# Altium PCB HIL_RIG_REV_1_2.PcbDoc (part 9 of 14) (continued)
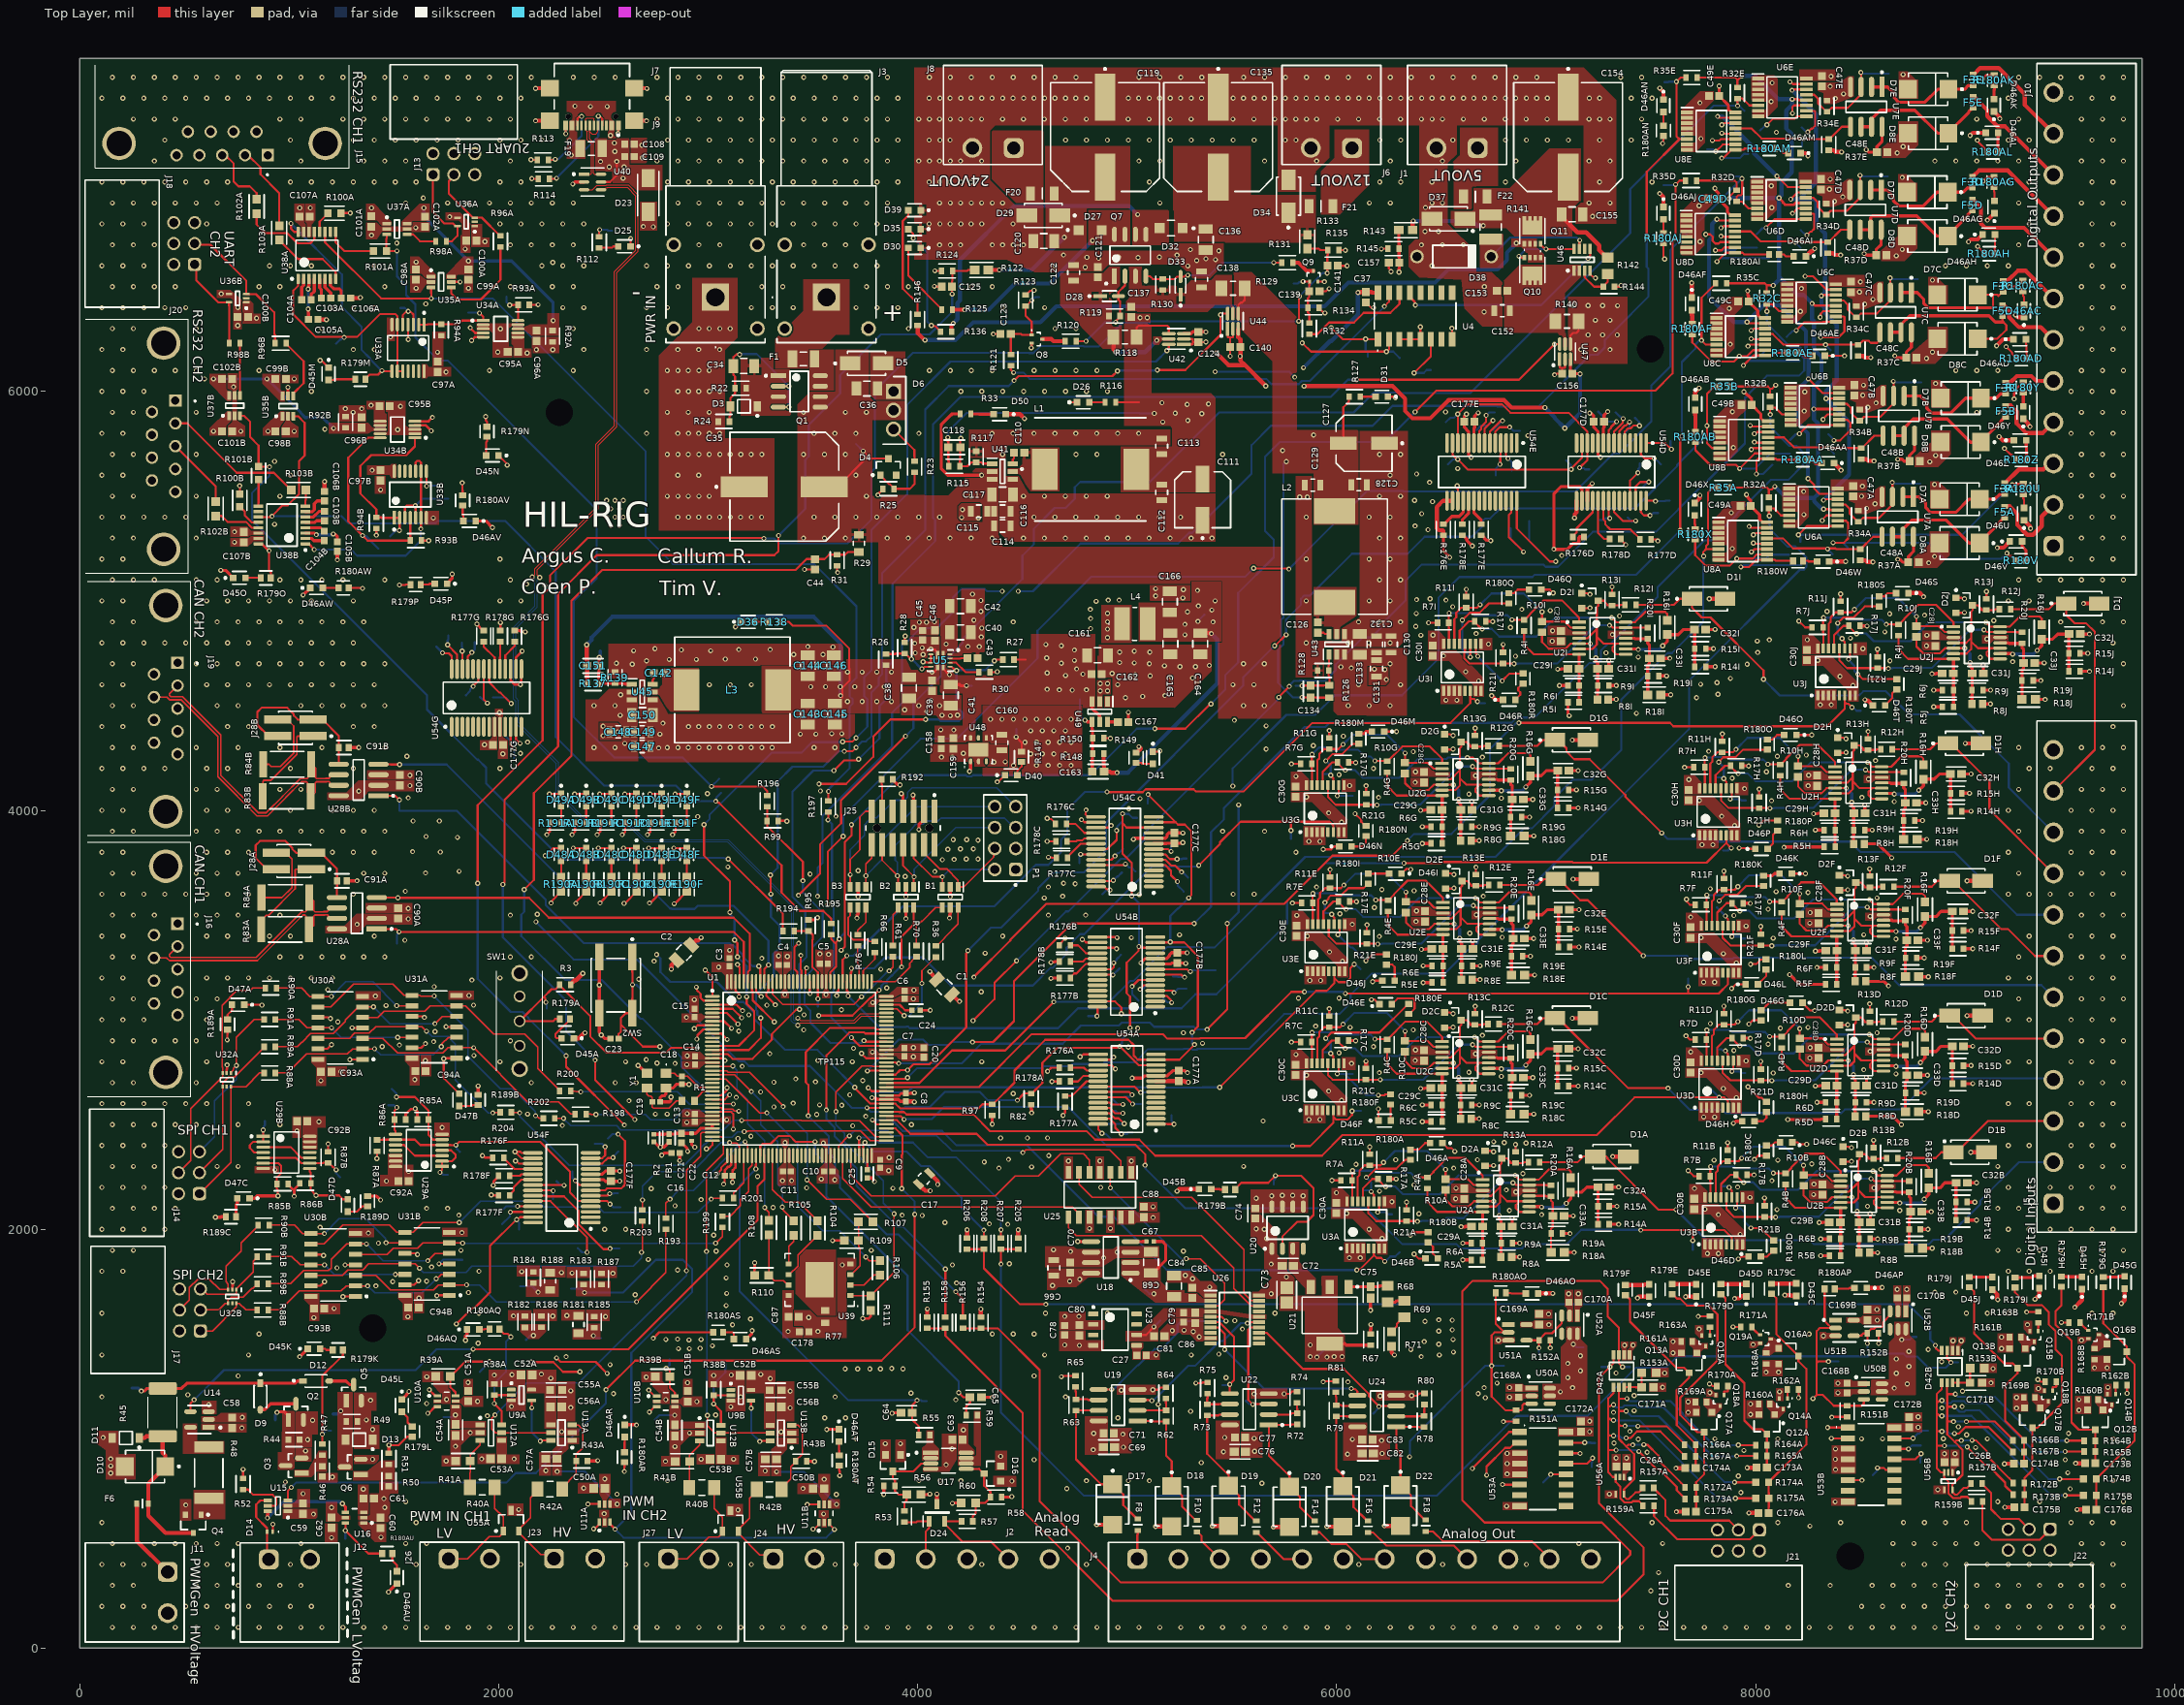
[diagram p0: Top Layer view]
## Nets (pads, with @x,y where several pads share a name; then routed paths per layer and width w, separated by ;. In a path a pad name is that pad's centre, name@x,y a point inside that pad or via, vN(x,y) a via of type N, cw(c..) or ccw(c..) an arc to the next point about the centre after c; other vN are vias at no path point) (continued)
  Top Layer w20: C105A.2@1137.14,6344 1161.87,6344 1163.1,6342.77 1177.23,6342.77 v1(1178,6342) ; C106B.2@1169,5522.64 v1(1169,5570) ; v1(1230,5196) C105B.2@1230,5236.72 ; C106A.2@1293.14,6446 1336.92,6446 1338.92,6448 v1(1340,6448) ; v1@2176.76,7292.76 J9.2@2243.82,7292.76 ; v1@2176.76,7447.48 J9.4@2243.82,7447.48 ; R3.1@2343.73,3168.01 2343.73,3171.03 2362.35,3189.65 2369.65,3189.65 v1(2402,3222) ; D45A.1@2359.06,2912 2382.8,2912 2408.04,2937.23 2411.23,2937.23 v1(2412,2938) ; J9.1@2646.18,7292.76 v1@2705.24,7292.76 ; J9.3@2646.18,7447.48 2705.44,7447.48 2706.92,7446 v1(2708,7446) ; v1(2824,3242) 2824.77,3242.77 2824.77,3261.9 C2.2@2848.6,3285.73 ; C8.1@3944,2610.71 3980.21,2610.71 3982.92,2608 v1(3984,2608) ; C17.1@4003.55,2215.55 4027.31,2191.8 4028.63,2191.8 4036.43,2184 v1(4060,2184) ; D24.3@4092,688.77 v1(4092,736) ; C1.2@4163.64,3120.73 v1@4196.37,3088 ; D50.1@4420.97,5891.29 4488.71,5891.29 v1(4510,5870) ; v1(4854,590) 4854.27,589.73 D17.2@4931,589.73 ; v1(5136,582) 5136.27,581.73 D18.2@5213,581.73 ; v1(5238,2182) 5239.08,2182 5249.08,2192 D45B.1@5342,2192 ; v1(5407,583.81) 5407.27,583.54 D19.2@5484,583.54 ; v1(5698,578.91) 5698.27,578.64 D20.2@5775,578.64 ; v1(5953,581) 5953.27,580.73 D21.2@6030,580.73 ; v1(6228,585) 6228.27,584.73 D22.2@6305,584.73 ; R71.1@6262,1441.48 6262,1412.64 6262.27,1412.64 6274.92,1400 v1(6276,1400) ; v1(6740,4548) 6760,4528 D46R.1@6794,4528 ; D46AO.1@6962,1694 v1(7032,1694) ; v1(7124.89,3007.79) D1C.2@7199.63,3007.79 ; v1(7124.89,4335.79) D1G.2@7199.63,4335.79 ; v1(7128.89,3671.79) D1E.2@7203.63,3671.79 ; v1(7136,5396) 7136.77,5396.77 7136.77,5414.2 7145.32,5422.76 U54D.15@7145.32,5478 ; U54D.17@7196.5,5478 7196.5,5536.5 v1(7220,5560) ; v1(7317.89,2347.79) D1A.2@7392.63,2347.79 ; v1(7436,1672) 7442,1678 D45F.1@7492,1678 ; v1@7544,6944 7560,6928 D46AJ.1@7560,6880.9 ; v1@7544,7446 7560,7430 D46AN.1@7560,7393.48 ; v1(7620,860) C174A.1@7664.79,860 ; v1(7622,652) C175A.1@7666.79,652 ; v1(7666,1678) 7666.94,1678.94 D45E.1@7716,1678.94 ; v1@7694,6520 7695.79,6518.21 D46AF.1@7695.79,6447.48 ; D46X.1@7709.73,5467.02 7733.23,5490.52 7733.23,5502.15 v1@7734,5502.92 ; D46AB.1@7712,5970 7712,5998 v1(7730,6016) ; v1(7778.89,5009.79) D1I.2@7853.63,5009.79 ; v1(7900,1670) 7922.25,1670 7932.25,1680 D45D.1@7956,1680 ; v1(7960,862) C173A.1@8004.79,862 ; v1(7968,646) C176A.1@8012.79,646 ; v1(8140,1686) 8166.72,1686 8170.25,1682.47 D45C.1@8194,1682.47 ; D46AM.1@8215.06,7138 8238.8,7138 8250,7126.8 v1(8250,7124) ; D46AI.1@8240.51,6645.45 8264.26,6669.2 8269.2,6669.2 v1@8280,6680 ; R37D.1@8345.16,6659.79 8369.14,6659.79 8377.5,6651.43 v1(8406.16,6651.43) ; R37E.1@8349.05,7151.24 8373.03,7151.24 8381.39,7142.88 v1(8410.05,7142.88) ; D46W.1@8352,5188 v1(8430,5188) ; D46AA.1@8374,5658 v1(8408,5624) ; R37C.1@8489.16,6169.79 8513.14,6169.79 8521.5,6161.43 v1(8550.16,6161.43) ; R37A.1@8499.14,5194.24 8523.13,5194.24 8531.49,5185.88 v1(8560.14,5185.88) ; R37B.1@8504.33,5676.43 8528.32,5676.43 8536.68,5668.07 v1(8565.33,5668.07) ; v1(8522,4528) 8525.02,4524.98 8535.81,4524.98 D46T.1@8559.56,4501.23 ; D46AP.1@8531.06,1720 8602,1720 v1(8604,1722) ; D46S.1@8730.08,5037.44 8784.56,5037.44 v1(8802,5020) ; v1(9000.89,4319.79) D1H.2@9075.63,4319.79 ; v1(9008.89,3019.79) D1D.2@9083.63,3019.79 ; v1(9008.89,3663.79) D1F.2@9083.63,3663.79 ; v1(9016,6714) 9027.54,6725.54 9059.85,6725.54 D46AH.1@9083.59,6749.29 ; v1(9024,7222) 9036.83,7234.83 D46AL.1@9098.66,7234.83 ; v1(9026.89,2367.79) D1B.2@9101.63,2367.79 ; v1(9106,6818) 9106.77,6818.77 9107.99,6818.77 D46AG.1@9140.2,6850.98 ; D45J.1@9130,1712.47 9153.75,1688.72 9153.75,1666.25 v1(9156,1664) ; D46AK.1@9137.67,7336.52 9165.23,7308.96 9165.23,7302.77 v1(9166,7302) ; v1(9150,6218) 9180.97,6248.97 D46AD.1@9231.09,6248.97 ; v1(9154,5254) 9183.9,5254 D46V.1@9213.55,5283.65 ; v1(9162,5784) 9179.42,5766.58 D46Z.1@9232.71,5766.58 ; v1@9189,881 C174B.1@9232.39,881 ; v1(9189.6,673) C175B.1@9234.39,673 ; v1(9240.63,6365.52) 9241.71,6365.52 9252.57,6354.66 D46AC.1@9280.94,6354.66 ; D46Y.1@9278.02,5869.55 9301.77,5845.8 9301.77,5840.23 v1(9310,5832) ; D46U.1@9280.94,5385.34 9311.23,5355.05 9311.23,5346.77 v1(9312,5346) ; v1(9334,1666) 9354,1686 D45I.1@9354,1718.47 ; v1(9524,1628) 9558,1662 D45H.1@9558,1714.47 ; v1(9527.6,883) C173B.1@9572.39,883 ; v1(9534,662) C176B.1@9577.39,662 ; v1(9565.89,4987.79) D1J.2@9640.63,4987.79 ; v1(9746,1646) 9762,1662 D45G.1@9762,1716.47
  other v1: 156,100 256,100 356,100 456,100 556,100 656,100 756,100 856,100 956,100 1056,100 1156,100 1256,100 1356,100 1456,100 1556,100 1656,100 1756,100 1856,100 1956,100 2056,100 2156,100 2256,100 2356,100 2456,100 2556,100 2656,100 2756,100 2856,100 2956,100 3056,100 3156,100 3256,100 3356,100 3456,100 3556,100 3656,100 3756,100 3856,100 3956,100 4056,100 4156,100 4256,100 4356,100 4456,100 4556,100 4656,100 4756,100 4856,100 4956,100 5056,100 5156,100 5256,100 5356,100 5456,100 5556,100 5656,100 5756,100 5856,100 5956,100 6056,100 6156,100 6256,100 6356,100 6456,100 6556,100 6656,100 6756,100 6856,100 6956,100 7056,100 7156,100 7256,100 7356,100 7456,100 7556,100 7656,100 7756,100 7856,100 7956,100 8056,100 8156,100 8256,100 8356,100 8456,100 8556,100 8656,100 8756,100 8856,100 8956,100 9056,100 9156,100 9256,100 9356,100 9456,100 9556,100 9656,100 9756,100 106,200 206,200 306,200 506,200 606,200 706,200 806,200 906,200 1006,200 1106,200 8506,200 8606,200 8706,200 8806,200 8906,200 9006,200 9106,200 9206,200 9306,200 9406,200 9506,200 9606,200 9706,200 7500,274 156,300 256,300 556,300 656,300 756,300 856,300 956,300 1056,300 8156,300 8356,300 8556,300 8656,300 8756,300 8856,300 8956,300 9056,300 9156,300 9256,300 9356,300 9456,300 9556,300 9656,300 9756,300 7537.12,361.24 106,400 206,400 306,400 606,400 706,400 1006,400 1606,400 2106,400 2606,400 2706,400 3106,400 3206,400 3606,400 3706,400 4306,400 4806,400 6106,400 6506,400 6906,400 8706,400 8806,400 8906,400 9006,400 9106,400 9206,400 9306,400 9406,400 9506,400 9606,400 9706,400 156,500 356,500 456,500 556,500 656,500 756,500 1056,500 1556,500 1656,500 7156,500 7556,500 8656,500 8756,500 8856,500 8956,500 9056,500 9556,500 9656,500 9756,500 1202,528 8259.12,583.24 106,600 1606,600 7506,600 8106,600 8406,600 8706,600 8806,600 8906,600 9006,600 9506,600 9606,600 9706,600 3550.78,641.04 2503.52,642.52 3142.78,660.52 2095.52,662 1456,672 6812,678 506,684 8379.6,699 1556,700 9156,700 9356,700 9756,700 1452,714 3612,734 2564.74,735.48 7302,736 1066,738 7930,744 8869.6,757 9501.6,761 3452.78,763.04 2405.52,764.52 5643.12,787.24 982,794 4450,798 2806,800 3706,800 4006,800 4106,800 4206,800 4806,800 5006,800 5106,800 9706,800 1206,818 7918,822 6814,832 148,836 9490,838 3272.26,846.52 2225,848 8381.6,853 148,870 4136,876 6813.6,881.34 5354,886 2796.26,892.52 1749,894 4556,900 9478,900 9756,900 1398,902 8381.2,902.34 2966.26,902.52 148,904 1919,904 7334,908 8901.6,929 6216.61,930 6814,930 7482,936 5608.61,940 1078,942 7944,944 8381.6,951 4164,952 9050,958 4982,960 2841.26,962.52 1794,964 3917.68,976.68 7324,980 6214.61,992 7440,998 3706,1000 7806,1000 8106,1000 8506,1000 8606,1000 9106,1000 9706,1000 8896.43,1000.66 5606.61,1002 112,1006 9007.6,1019 4980,1022 9494,1026 2911.26,1027.52 1864,1029 3348.26,1032.52 2301,1034 7400,1036 8967.6,1057 7208,1084 3556,1100 3656,1100 4956,1100 776,1102 8775.6,1105 1946,1110 3036,1114 7322,1126 5303.12,1131.24 7420,1134 8889.6,1147 3391.26,1147.52 2344,1149 3108.26,1152.52 2061,1154 8986,1154 5148,1164 1656,1168 4182,1186 2798.26,1186.52 1751,1188 6825.35,1198.6 106,1200 3155,1200 3606,1200 4706,1200 6208,1204 7420,1206 516,1210 5606,1214 2548,1216 3968,1218 7782,1220 8392.95,1219.6 8114,1224 8987.6,1227 3391.26,1227.52 2344,1229 4972,1232 9350,1240 9681.6,1245 7556,1246 9123.6,1267 2901.26,1267.52 1854,1269 6054,1272 5472,1292 2704.26,1294.52 1657,1296 756,1300 4556,1300 5156,1300 3026.26,1302.52 1979,1304 3110.26,1304.52 2063,1306 7334,1314 2532,1354 8888,1368 2322,1392 106,1400 806,1400 4606,1400 5138,1400 5306,1400 5438,1404 8824,1426 4772,1446 7414.61,1447.23 4702,1448 7988,1450 1902,1456 8982.22,1468.23 6772,1470 9555.6,1471 5344,1486 8323.6,1491 856,1500 4356,1500 4456,1500 4556,1500 8256,1500 5316,1512 3523.52,1512.61 5216,1516 5272,1518 5550,1524 7730,1524 9297.6,1545 5514,1564 3479.52,1578.61 2510,1583.59 2258.17,1585.42 7012,1596 106,1600 1906,1600 4610,1600 4906,1600 5706,1600 9006,1600 9106,1600 9206,1600 9606,1600 9706,1600 8579.6,1617 1214,1622 1620,1672 2652,1688 5688,1692 7108,1692 1856,1698 8856,1700 8956,1700 8675.6,1713 5394,1724 1414,1730 4186,1744 1494,1750 1656,1752 5312,1764 5760,1772 5278,1780 2545,1790.23 2300,1793.28 106,1800 206,1800 1906,1800 9206,1800 9306,1800 9406,1800 9606,1800 9706,1800 2854,1806 1228,1816 1680,1820 3640,1830 4166,1830 5688,1834 4438,1836 2714,1856 4888,1864 6061,1864 6113,1864 7770,1884 7822,1884 4952.07,1891 4730,1894 3038,1896 5268,1896 156,1900 256,1900 1820,1900 3778,1900 9156,1900 9256,1900 9356,1900 9456,1900 9556,1900 9656,1900 9756,1900 4648,1902 1426,1934 5666,1956 6217,1956 3026,1972 7926,1976 1378,1982 1824.36,1984.6 106,2000 206,2000 306,2000 406,2000 2506,2000 2606,2000 5655,2000 6155,2000 9206,2000 9306,2000 9406,2000 9506,2000 9606,2000 9706,2000 5616,2002 4820,2004 4920,2004 1148,2010 4430,2024 4342,2026 4022,2066 1810,2068 3926,2068 6979,2070 7822,2070 6393,2074 6049,2076 6825,2090 8688,2090 8102,2094 7758,2096 156,2100 256,2100 356,2100 456,2100 1656,2100 1756,2100 9156,2100 9256,2100 9556,2100 9656,2100 9756,2100 3310,2104 5124,2108 8534,2110 2842,2112 2966,2142 6567.89,2145.79 8276.89,2165.79 6855.89,2177.79 6205,2182 2728,2194 3882,2196 3470,2198 8564.89,2197.79 106,2200 206,2200 306,2200 406,2200 4874,2200 9206,2200 9306,2200 9406,2200 9506,2200 9606,2200 9706,2200 7914,2202 6369,2212 3354.97,2231.95 8078,2232 3540,2240 3236,2252 6889,2266 1570,2276 3862,2280 932,2284 8598,2286 6559,2292 156,2300 256,2300 356,2300 656,2300 756,2300 5556,2300 9156,2300 9556,2300 9656,2300 9756,2300 6093,2310 8268,2312 4720,2326 4870,2326 5020,2326 7802,2330 8106,2330 6282,2332 106,2400 206,2400 306,2400 406,2400 9206,2400 9306,2400 9506,2400 9606,2400 9706,2400 3550,2412 3367.15,2414 3142,2434 3204,2444 1037.39,2470 1730,2486 3690,2494 2304,2496 156,2500 256,2500 356,2500 456,2500 556,2500 756,2500 956,2500 3970,2500 9556,2500 9656,2500 9756,2500 2898,2510.41 5649.12,2517.24 3088,2522 5868,2524 5920,2524 7752,2536 7804,2536 3752,2540 3518,2548 2138,2550 2748,2550 2804,2550 3314,2584 3638,2592 3532,2594 106,2600 206,2600 306,2600 406,2600 506,2600 606,2600 806,2600 9206,2600 9306,2600 9506,2600 9606,2600 9706,2600 3406,2602 2622,2614 6024,2616 7908,2628 3134,2630 3676,2642 4456,2648 3250,2656 5962,2660 7846,2672 156,2700 256,2700 556,2700 2156,2700 2556,2700 2656,2700 9556,2700 9656,2700 9756,2700 3314,2702 3512,2704 3738,2710 3418,2718 6786,2730 5856,2736 8670,2742 8084,2746 6204,2748 7740,2748 6632,2750 1247.33,2753.67 8516,2762 3162,2778 2842,2792 2756,2794 106,2800 206,2800 606,2800 2006,2800 2606,2800 3688,2800 4306,2800 9206,2800 9306,2800 9506,2800 9606,2800 9706,2800 1650,2806 3524,2806 6374.89,2805.79 2704,2810 8258.89,2817.79 3980,2824 2900,2828 1882,2830 3294,2838 6662.89,2837.79 6012,2842 3784,2846 8546.89,2849.79 7896,2854 3694,2864 5006,2870 1444,2872 6176,2872 1526,2880 8060,2884 5360,2888 1690,2896 156,2900 256,2900 356,2900 456,2900 556,2900 2056,2900 9556,2900 9656,2900 9756,2900 6696,2926 5268,2938 8580,2938 1696,2944 3146,2946 3456,2952 6366,2952 5050,2960 8118,2960 6064,2964 8250,2964 5900,2970 7784,2982 1232,2990 106,3000 206,3000 306,3000 606,3000 9206,3000 9306,3000 9506,3000 9606,3000 9706,3000 3194,3024 3458,3024 3636,3048 1462,3068 1880,3070 3280,3070 3786,3082 2934,3096 156,3100 256,3100 556,3100 656,3100 3980,3100 9256,3100 9556,3100 9656,3100 9756,3100 5818,3104 6012,3104 1411.33,3113.67 1857.68,3116.28 3365.76,3120.61 3562.61,3120.61 4304,3134 1184,3144 3852,3152 1692,3158 7752,3180 7804,3180 5872,3188 5924,3188 1872,3190 2669.07,3193.95 106,3200 206,3200 606,3200 706,3200 806,3200 906,3200 1006,3200 1106,3200 1206,3200 2006,3200 9206,3200 9306,3200 9506,3200 9606,3200 9706,3200 3824,3242 7908,3272 2742,3280 6028,3280 3256,3294 156,3300 256,3300 956,3300 1056,3300 1156,3300 1256,3300 1356,3300 1456,3300 2056,3300 2156,3300 9256,3300 9556,3300 9656,3300 9756,3300 3377.94,3302.66 3574.79,3312.66 7846,3316 4322,3318 5966,3324 3102,3332 1552,3380 8670,3386 8084,3390 5020,3392 7740,3392 6790,3394 6204,3398 106,3400 206,3400 606,3400 706,3400 806,3400 906,3400 1006,3400 1406,3400 4406,3400 5860,3400 9306,3400 9506,3400 9606,3400 9706,3400 5250,3406 8516,3406 6636,3414 1324.15,3456 8258.89,3461.79 6378.89,3469.79 1568.15,3482 8546.89,3493.79 7896,3498 156,3500 256,3500 356,3500 556,3500 656,3500 756,3500 956,3500 2056,3500 9556,3500 9656,3500 9756,3500 6666.89,3501.79 2184,3504 6016,3506 8060,3528 6180,3536 8580,3582 6700,3590 5058,3598 106,3600 206,3600 306,3600 406,3600 506,3600 606,3600 706,3600 806,3600 1306,3600 5506,3600 5606,3600 9206,3600 9306,3600 9406,3600 9506,3600 9606,3600 9706,3600 8250,3608 8098,3612 1554,3614 6370,3616 6216,3622 7784,3626 5904,3634 3940,3684 3486,3696 156,3700 256,3700 556,3700 656,3700 756,3700 1356,3700 1456,3700 9256,3700 9556,3700 9656,3700 9756,3700 1651.12,3701.24 4082,3708 1811.04,3709.29 3716,3712 3094,3730 106,3800 206,3800 606,3800 706,3800 806,3800 1206,3800 1306,3800 1406,3800 5806,3800 9206,3800 9506,3800 9606,3800 9706,3800 1721.12,3801.24 1589.12,3803.24 7744,3836 7796,3836 5868,3852 5920,3852 1803.12,3871.24 1653.12,3875.24 156,3900 256,3900 556,3900 656,3900 756,3900 856,3900 956,3900 1056,3900 1156,3900 1256,3900 1356,3900 1456,3900 5456,3900 5656,3900 9256,3900 9556,3900 9656,3900 9756,3900 7900,3928 6024,3944 1591.12,3949.24 1717.12,3949.24 2950,3970 3610,3972 7838,3972 5962,3988 106,4000 206,4000 606,4000 706,4000 1006,4000 1206,4000 1306,4000 1406,4000 9206,4000 9506,4000 9606,4000 9706,4000 5007.41,4008.15 8662,4042 8076,4046 7732,4048 5062,4056 6786,4058 1568,4060 6200,4062 8508,4062 5856,4064 6632,4078 2996,4080 1332.15,4092 3536,4092.64 156,4100 256,4100 556,4100 656,4100 956,4100 1056,4100 9256,4100 9556,4100 9656,4100 9756,4100 1576.15,4118 8250.89,4117.79 6374.89,4133.79 8538.89,4149.79 7888,4154 6662.89,4165.79 6012,4170 8052,4184 106,4200 206,4200 306,4200 406,4200 606,4200 706,4200 806,4200 1006,4200 1306,4200 2006,4200 6176,4200 9306,4200 9406,4200 9606,4200 9706,4200 4364,4230 4418,4231.98 8572,4238 4114,4254 4166,4254 6696,4254 1562,4258 8104,4258 8242,4264 2020,4270 2104,4272 4218,4271.98 6366,4280 7776,4282 5663.12,4293.24 2764,4298 156,4300 256,4300 556,4300 756,4300 956,4300 1156,4300 1456,4300 2805,4300 2856,4300 2905,4300 2956,4300 3005,4300 3056,4300 3105,4300 3156,4300 3205,4300 3256,4300 3305,4300 3505,4300 3605,4300 9256,4300 9556,4300 9656,4300 9756,4300 5888.87,4309.13 2138,4326 6032,4354 2498,4356 2770,4364 3440,4364 3514,4364 3590,4366 3638,4366 2568,4374 106,4400 206,4400 706,4400 806,4400 1306,4400 1406,4400 2906,4400 2955,4400 3006,4400 3055,4400 3106,4400 3155,4400 3206,4400 3255,4400 3306,4400 9706,4400 2498,4402 5663.12,4403.24 2784,4416 5512,4430 4156,4452 4116,4454 4190.47,4455.09 7431.12,4463.24 2004,4466 4044,4472 3938,4480 156,4500 256,4500 656,4500 756,4500 1056,4500 1156,4500 1256,4500 1356,4500 1456,4500 4005,4500 4105,4500 9756,4500 8309,4504 8361,4504 4064,4526 6522,4526 6574,4526 4992,4537.98 5074,4543.98 5180,4547.98 8465,4596 106,4600 206,4600 606,4600 706,4600 806,4600 906,4600 1006,4600 1106,4600 1206,4600 1306,4600 1406,4600 3006,4600 3106,4600 3206,4600 4955,4600 6678,4618 6237.31,4624.49 5312,4631.98 5212,4633.98 8403,4640 5110,4641.98 5038,4647.98 4928,4653.98 6616,4662 6230,4672 6180,4674 5252,4685.98 5326,4685.98 5178,4689.98 5392,4691.98 2637.68,4697.95 156,4700 256,4700 556,4700 656,4700 756,4700 856,4700 956,4700 1056,4700 1156,4700 1256,4700 1356,4700 1456,4700 5106,4699.98 9756,4700 2562,4702 5034,4703.98 4964,4705.98 9227,4710 2706,4714 8641,4714 8297,4716 2814,4720 2944,4720 3082,4722 3226,4722 9073,4730 7440,4732 6854,4736 6510,4738 3408,4744 3548,4744 7286,4752 4964,4755.98 5108,4755.98 5034,4759.98 2644,4762 3012,4762 2872,4766 3146,4768 3296,4768 2746,4772 3596,4780 3476,4782 4240,4782 4294,4782 8815.89,4785.79 106,4800 206,4800 306,4800 406,4800 506,4800 606,4800 706,4800 806,4800 906,4800 1006,4800 1106,4800 1206,4800 1306,4800 5855,4800 6055,4800 6155,4800 6255,4800 9706,4800 7028.89,4807.79 9103.89,4817.79 8453,4822 4304,4828 7316.89,4839.79 6666,4844 8617,4852 4826,4868 4306,4870 3982,4874 6830,4874 4008,4898 4042,4898 156,4900 256,4900 556,4900 656,4900 756,4900 856,4900 956,4900 1056,4900 1156,4900 1256,4900 1356,4900 4080,4900 4456,4900 6105,4900 6205,4900 6305,4900 9456,4900 9656,4900 9756,4900 9137,4906 4268,4908 4826,4916 7350,4928 8807,4932 8640,4938 4302,4950 8341,4950 7020,4954 4824,4960 6884,4960 6554,4972 4852,4998 106,5000 206,5000 606,5000 706,5000 806,5000 906,5000 1006,5000 1106,5000 1306,5000 2006,5000 2106,5000 5855,5000 6155,5000 6255,5000 9206,5000 9306,5000 4302,5002 4910,5004 4962,5004 5266,5013.98 5136,5023.98 4262,5032 5268,5053.98 5136,5057.98 2220,5074 2134,5080 156,5100 256,5100 356,5100 556,5100 656,5100 956,5100 1056,5100 1156,5100 1256,5100 1456,5100 2056,5100 6205,5100 6305,5100 9256,5100 9356,5100 9456,5100 9556,5100 9656,5100 9756,5100 8826.14,5181.88 106,5200 206,5200 2006,5200 5855,5200 6155,5200 6255,5200 9506,5200 9606,5200 9706,5200 8854.14,5211.88 7888.81,5249.81 156,5300 256,5300 556,5300 4505,5300 4605,5300 4705,5300 4805,5300 4905,5300 5005,5300 5105,5300 5205,5300 5305,5300 5405,5300 6205,5300 6305,5300 9556,5300 9656,5300 9756,5300 739,5330 930,5366 1688,5396 4290,5396 4210,5398 106,5400 206,5400 306,5400 406,5400 506,5400 2855,5400 2906,5400 2955,5400 3006,5400 3055,5400 3106,5400 3155,5400 3206,5400 3255,5400 4555,5400 4655,5400 4755,5400 4855,5400 4955,5400 5055,5400 5155,5400 5255,5400 5855,5400 6155,5400 6255,5400 9506,5400 9606,5400 9706,5400 8230.81,5411.81 7884.14,5420.88 4214,5436 8530.14,5441.56 8570.14,5463.56 5824,5496 5860,5496 156,5500 256,5500 556,5500 956,5500 2805,5500 2856,5500 2905,5500 2956,5500 3005,5500 4505,5500 4605,5500 4705,5500 4805,5500 4905,5500 6205,5500 6305,5500 8506.14,5499.56 9556,5500 9656,5500 9756,5500 7734,5504 8229.14,5522 1436,5530 8854.14,5555.88 106,5600 206,5600 1006,5600 2855,5600 2955,5600 6255,5600 9506,5600 9606,5600 9706,5600 6578,5632 8831.33,5664.07 930,5666 8859.33,5694.07 156,5700 256,5700 556,5700 2805,5700 2856,5700 2905,5700 2956,5700 3005,5700 3056,5700 3105,5700 3156,5700 3205,5700 3256,5700 4405,5700 4756,5700 4856,5700 5456,5700 6205,5700 6305,5700 9556,5700 9656,5700 9756,5700 7894,5732 6913.12,5789.24 106,5800 206,5800 2706,5800 2855,5800 2906,5800 2955,5800 3006,5800 3055,5800 4006,5800 4355,5800 4455,5800 4555,5800 4655,5800 4755,5800 4855,5800 4955,5800 5055,5800 9506,5800 9606,5800 9706,5800 769,5810 1024,5810 1518,5818 1170,5820 156,5900 256,5900 556,5900 1305,5900 2805,5900 2905,5900 3005,5900 9056,5900 9156,5900 9556,5900 9656,5900 9756,5900 6520,5902 7889.33,5903.07 8232,5906 1268,5918 1346,5918 8535.33,5923.75 1531,5929 8575.33,5945.75 8511.33,5981.75 8234.33,5998.07 106,6000 206,6000 306,6000 1106,6000 2706,6000 2855,6000 2906,6000 2955,6000 3006,6000 3055,6000 4206,6000 4306,6000 4406,6000 4506,6000 4606,6000 4706,6000 4806,6000 4906,6000 9506,6000 9606,6000 9706,6000 734,6022 8859.33,6038.07 596,6060 1024,6060 156,6100 256,6100 356,6100 456,6100 556,6100 856,6100 1956,6100 2356,6100 2805,6100 2856,6100 2905,6100 2956,6100 3005,6100 4056,6100 4156,6100 4256,6100 4356,6100 4556,6100 4656,6100 4756,6100 4856,6100 8956,6100 9056,6100 9156,6100 9556,6100 9656,6100 9756,6100 8816.16,6157.43 1708.5,6187 8844.16,6187.43 1995.5,6188 2180.5,6199 2258.5,6199 106,6200 206,6200 1306,6200 1406,6200 2406,6200 2706,6200 2855,6200 2955,6200 3055,6200 9606,6200 9706,6200 7878.83,6225.36 1484,6260 2008.5,6299 156,6300 256,6300 556,6300 1156,6300 2356,6300 2956,6300 3005,6300 3056,6300 3105,6300 3956,6300 4656,6300 4756,6300 7656,6300 9556,6300 9656,6300 9756,6300 754,6315 5062,6352 5096,6352 6704,6380 8214,6382 7874.16,6396.43 106,6400 206,6400 306,6400 406,6400 506,6400 755,6400 1206,6400 1306,6400 1406,6400 2306,6400 2406,6400 2706,6400 2806,6400 3206,6400 3306,6400 3406,6400 3706,6400 3806,6400 3906,6400 4406,6400 4606,6400 9606,6400 9706,6400 8520.16,6417.11 1652,6418 8560.16,6439.11 676,6466 8496.16,6475.11 8219.16,6491.43 1605.53,6492.66 1855.53,6492.66 156,6500 256,6500 356,6500 456,6500 856,6500 956,6500 1456,6500 2056,6500 2256,6500 2356,6500 2756,6500 2856,6500 3256,6500 3356,6500 3756,6500 3856,6500 3956,6500 4256,6500 4356,6500 6705,6500 9556,6500 9656,6500 9756,6500 7694.9,6519.1 8844.16,6531.43 4800,6593 5290,6599 106,6600 206,6600 306,6600 906,6600 1006,6600 1106,6600 1406,6600 2206,6600 2306,6600 2406,6600 2706,6600 2806,6600 2906,6600 3006,6600 3106,6600 3206,6600 3306,6600 3406,6600 3506,6600 3606,6600 3706,6600 3806,6600 4655,6600 6455,6600 8906,6600 9006,6600 9106,6600 9206,6600 9606,6600 9706,6600 2258,6616 5332,6625 5422,6629 5376,6633 4864,6635 5052,6639 4808,6640 4958,6641 5154,6641 8672.16,6647.43 4696,6651 5238,6651 5438,6671 5302,6677 8700.16,6677.43 1840,6680 8282,6682 156,6700 256,6700 356,6700 2056,6700 2156,6700 2256,6700 2356,6700 2956,6700 3056,6700 3456,6700 3556,6700 3656,6700 3856,6700 4105,6700 4156,6700 4205,6700 4356,6700 4405,6700 4456,6700 4505,6700 6405,6700 6505,6700 6605,6700 9256,6700 9556,6700 9656,6700 9756,6700 1514,6708 7734.83,6715.36 1392.5,6746 6422,6764 6486,6764 1604,6782 2738,6786 2690,6788 106,6800 206,6800 306,6800 606,6800 2006,6800 2106,6800 2206,6800 2306,6800 2406,6800 2806,6800 2906,6800 3006,6800 3106,6800 3206,6800 3306,6800 3406,6800 3506,6800 3606,6800 3706,6800 3806,6800 4055,6800 4106,6800 4155,6800 4206,6800 4255,6800 4306,6800 4455,6800 9306,6800 9606,6800 9706,6800 1766,6834 7222,6836 1100.5,6876 8076.83,6877.36 6424,6878 7730.16,6886.43 156,6900 256,6900 356,6900 456,6900 556,6900 656,6900 1556,6900 1756,6900 1856,6900 1956,6900 2056,6900 2156,6900 2256,6900 2356,6900 2856,6900 2956,6900 3056,6900 3156,6900 3256,6900 3356,6900 3456,6900 3556,6900 3656,6900 3756,6900 3856,6900 4105,6900 4156,6900 4205,6900 4256,6900 4305,6900 4356,6900 4405,6900 5156,6900 6156,6900 6256,6900 6456,6900 6505,6900 7205,6900 7305,6900 9256,6900 9556,6900 9656,6900 9756,6900 8376.16,6907.11 1640,6924 8416.16,6929.11 7542.07,6944.96 8352.16,6965.11 8075.16,6981.43 106,7000 206,7000 306,7000 406,7000 506,7000 606,7000 706,7000 1006,7000 1106,7000 1206,7000 1306,7000 1406,7000 1506,7000 1606,7000 2006,7000 2106,7000 2806,7000 2906,7000 3006,7000 3106,7000 3206,7000 3306,7000 3406,7000 3506,7000 3606,7000 3706,7000 3806,7000 3906,7000 4055,7000 4106,7000 4155,7000 4206,7000 4255,7000 5106,7000 6206,7000 6306,7000 6455,7000 6806,7000 7255,7000 7506,7000 9206,7000 9306,7000 9606,7000 9706,7000 8700.16,7021.43 356,7100 1056,7100 1356,7100 1456,7100 1556,7100 2056,7100 2756,7100 2856,7100 2956,7100 3056,7100 3156,7100 3256,7100 3356,7100 3456,7100 3556,7100 3656,7100 3756,7100 3856,7100 4005,7100 4056,7100 4105,7100 4156,7100 4205,7100 4305,7100 5056,7100 5156,7100 5656,7100 5905,7100 6256,7100 6505,7100 6856,7100 7205,7100 7305,7100 8856,7100 8956,7100 9056,7100 9156,7100 9256,7100 9556,7100 9656,7100 9756,7100 2686,7116 8676.05,7138.88 8704.05,7168.88 2684,7176 406,7200 1006,7200 1306,7200 1406,7200 1506,7200 1606,7200 1706,7200 1806,7200 2006,7200 2106,7200 2206,7200 2806,7200 2906,7200 3006,7200 3106,7200 3206,7200 3306,7200 3406,7200 3506,7200 3606,7200 3706,7200 3806,7200 3906,7200 4055,7200 4106,7200 4155,7200 4706,7200 4806,7200 4906,7200 5006,7200 5106,7200 5206,7200 5306,7200 5406,7200 5506,7200 5606,7200 5755,7200 5806,7200 6206,7200 6306,7200 6555,7200 6806,7200 6906,7200 7006,7200 7106,7200 7255,7200 7406,7200 9206,7200 9306,7200 9606,7200 9706,7200 7738.72,7206.81 8099.12,7237.24 2176,7292 256,7300 356,7300 456,7300 956,7300 1056,7300 1256,7300 1356,7300 1456,7300 1556,7300 1656,7300 1756,7300 1856,7300 1956,7300 2056,7300 2756,7300 2856,7300 2956,7300 3056,7300 3156,7300 3256,7300 3356,7300 3456,7300 3556,7300 3656,7300 3756,7300 3856,7300 4005,7300 4056,7300 4105,7300 4156,7300 4205,7300 4256,7300 4305,7300 4405,7300 4505,7300 4605,7300 4705,7300 4805,7300 5005,7300 5105,7300 5205,7300 5305,7300 5505,7300 5605,7300 5705,7300 5756,7300 5805,7300 5856,7300 5905,7300 6005,7300 6105,7300 6205,7300 6305,7300 6405,7300 6456,7300 6505,7300 6605,7300 6705,7300 6805,7300 6905,7300 7005,7300 7205,7300 7256,7300 7305,7300 7456,7300 9056,7300 9256,7300 9556,7300 9656,7300 9756,7300 7734.05,7377.88 8074,7384 8380.05,7398.56 106,7400 206,7400 306,7400 406,7400 506,7400 606,7400 706,7400 806,7400 906,7400 1006,7400 1106,7400 1206,7400 1306,7400 1406,7400 1506,7400 1606,7400 1706,7400 1806,7400 1906,7400 2006,7400 2106,7400 2806,7400 2906,7400 3006,7400 3106,7400 3206,7400 3306,7400 3406,7400 3506,7400 3606,7400 3706,7400 3806,7400 3906,7400 4055,7400 4106,7400 4155,7400 4206,7400 4255,7400 4306,7400 4355,7400 4406,7400 4455,7400 4506,7400 4555,7400 4606,7400 4655,7400 4706,7400 4755,7400 4806,7400 5006,7400 5055,7400 5106,7400 5155,7400 5206,7400 5255,7400 5306,7400 5355,7400 5506,7400 5555,7400 5606,7400 5655,7400 5706,7400 5755,7400 5806,7400 5855,7400 5906,7400 5955,7400 6006,7400 6055,7400 6106,7400 6155,7400 6206,7400 6255,7400 6306,7400 6355,7400 6406,7400 6455,7400 6506,7400 6555,7400 6606,7400 6655,7400 6706,7400 6755,7400 6806,7400 6855,7400 6906,7400 6955,7400 7006,7400 7206,7400 7255,7400 7406,7400 7506,7400 9206,7400 9506,7400 9606,7400 9706,7400 8420.05,7420.56 2176,7446.72 7542.52,7448.36 8356.05,7456.56 8079.05,7472.88 156,7500 256,7500 356,7500 456,7500 556,7500 656,7500 756,7500 856,7500 956,7500 1056,7500 1156,7500 1256,7500 1356,7500 1456,7500 1556,7500 1656,7500 1756,7500 1856,7500 1956,7500 2056,7500 2156,7500 2356,7500 2456,7500 2556,7500 2756,7500 2856,7500 2956,7500 3056,7500 3156,7500 3256,7500 3356,7500 3456,7500 3556,7500 3656,7500 3756,7500 3856,7500 4056,7500 4156,7500 4256,7500 4356,7500 4456,7500 4556,7500 4656,7500 4756,7500 5056,7500 5156,7500 5256,7500 5356,7500 5556,7500 5656,7500 5756,7500 5856,7500 5956,7500 6056,7500 6156,7500 6256,7500 6356,7500 6456,7500 6556,7500 6656,7500 6756,7500 6856,7500 6956,7500 7356,7500 7456,7500 9256,7500 9356,7500 9456,7500 9556,7500 9656,7500 9756,7500 8704.05,7512.88
GNDDetect: J25.11 R192.1 | length 153.2
  Top Layer w10: R192.1@3828,4148 3828,4124.01 3830.4,4121.61 J25.11@3830.4,3995.76
GreenLEDAnodeA: D47A.2 R189A.2 | length 78.5
  Top Layer w10: R189A.2@706,3002 706,3024.47 726.47,3044.94 D47A.2@726.47,3072
GreenLEDAnodeB: D47B.2 R189B.2 | length 92.3
  Top Layer w10: D47B.2@1812,2588.47 1871.5,2588.47 1877.03,2594 R189B.2@1902,2594
GreenLEDAnodeC: D47C.2 R189C.2 | length 90.6
  Top Layer w15: R189C.2@746.23,2060 746.23,2118.01 752.47,2124.25 D47C.2@752.47,2148